# Allegro board Lay-45699_A.brd (continued)
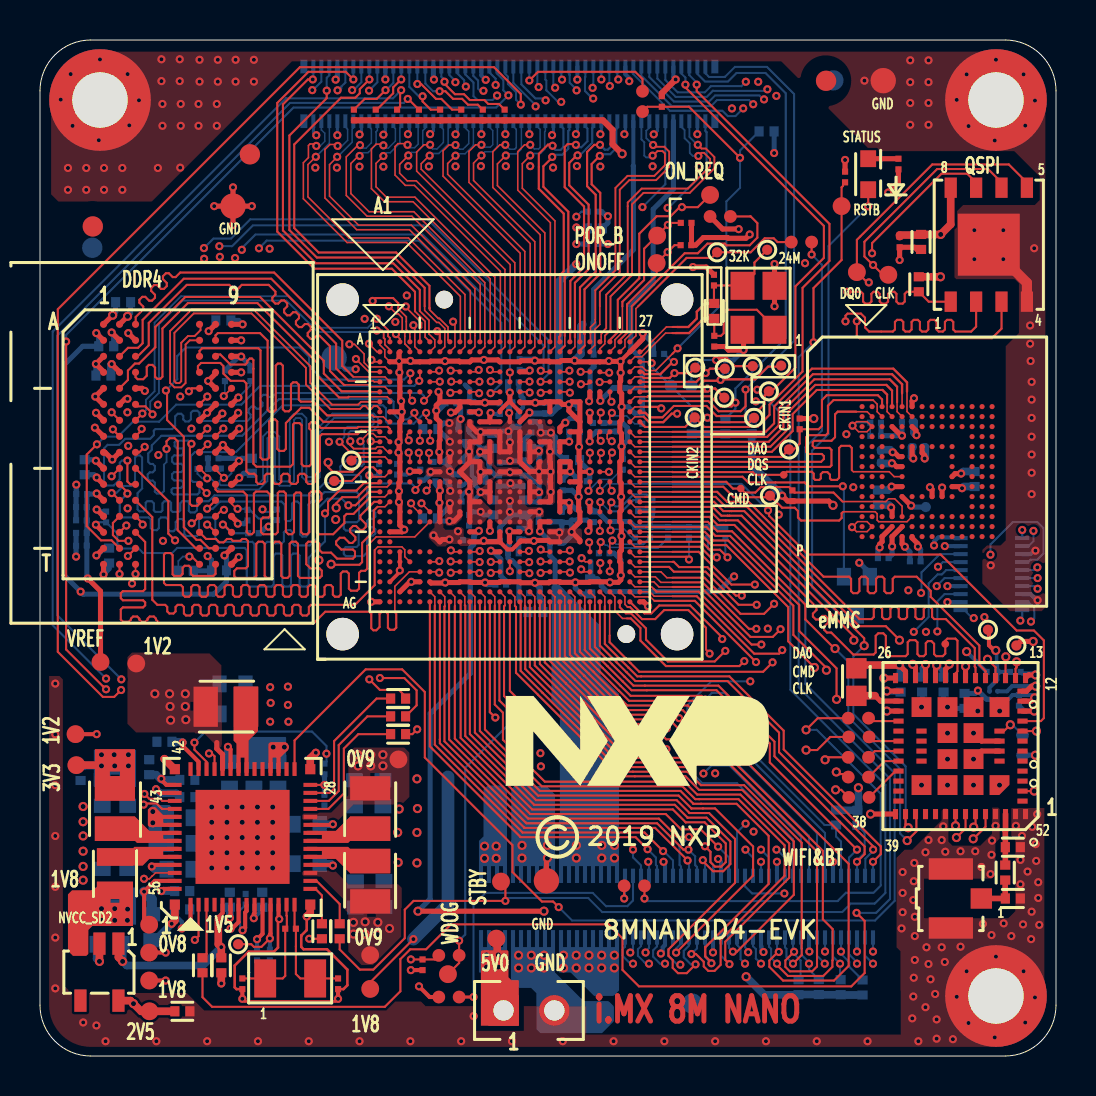
[diagram p0: board, top side]
## Routing (per net, layer and track width the routed paths; a pad name or vN(x,y) marks a point on that pad's centre or on a via; arc(x,y) is an arc through that point) (continued)
  BOTTOM w0.091: R9.1 9.57,29.13 9.35,28.91 v1(9.2,28.91) 9.12,28.91 8.97,28.76 8.97,28.6 9.03,28.54 10.86,28.54 11.15,28.83 11.15,30.98 11.37,31.19 11.75,31.19 11.96,30.98 11.96,28.83 12.07,28.73 12.4,28.73 12.49,28.82 12.49,31.9 12.71,32.11 13.1,32.11 13.32,31.9 13.32,29.04 13.41,28.95 13.68,28.95 13.77,29.04 13.77,31.27 14.62,32.12 16.68,32.12 16.89,31.9 16.89,31.51 16.62,31.24 15.52,31.24 15.43,31.15 15.43,30.82 v1(15.51,30.74)
DRAM_CK_T: length 28.4
  TOP w0.091: v1(8.36,28.88) 8.36,29 U2.K7 ; v1(14.98,30.71) 15.54,30.15 16.94,30.15 U1.M1
  BOTTOM w0.091: R8.1 7.87,29.11 8.1,28.88 v1(8.36,28.88) 8.54,28.88 8.69,28.73 8.69,28.58 8.94,28.32 10.95,28.32 11.37,28.74 11.37,30.89 11.46,30.98 11.66,30.98 11.75,30.89 11.75,28.74 11.98,28.51 12.49,28.51 12.7,28.73 12.7,31.81 12.8,31.9 13.01,31.9 13.1,31.81 13.1,28.95 13.32,28.73 13.77,28.73 13.98,28.95 13.98,31.18 14.71,31.9 16.59,31.9 16.68,31.81 16.68,31.6 16.54,31.46 15.38,31.46 15.22,31.29 15.22,30.95 v1(14.98,30.71)
DRAM_CKE: length 24.9
  TOP w0.076: v1(18.61,32.77) 18.49,32.88 18.49,33.03
  TOP w0.084: U1.F4 18.49,33.03
  TOP w0.104: U2.K2 v1(3.58,28.99)
  L3_IN1 w0.081: v1(3.58,28.99) 3.91,28.99 3.99,29.07 3.99,29.88 4.24,30.13 4.83,30.13 5.26,29.69 7.65,29.69 8.16,30.21 10.57,30.21 11.13,30.76 11.13,33.58 11.21,33.66 11.69,33.66 11.77,33.74 11.77,34.01 11.85,34.09 12.02,34.09 12.1,34.01 12.1,33.74 12.18,33.66 12.34,33.66 12.42,33.74 12.42,34.01 12.5,34.09 12.67,34.09 12.75,34.01 12.75,33.74 12.83,33.66 12.99,33.66 13.07,33.74 13.07,34.01 13.15,34.09 13.32,34.09 13.4,34.01 13.4,33.74 13.48,33.66 13.64,33.66 13.72,33.74 13.72,34.01 13.8,34.09 13.97,34.09 14.05,34.01 14.05,33.74 14.13,33.66 14.29,33.66 14.37,33.74 14.37,34.01 14.45,34.09 14.62,34.09 14.7,34.01 14.7,33.74 14.78,33.66 18.49,33.66 18.82,33.33 18.82,32.98 v1(18.61,32.77)
DRAM_DMI0: length 20.3
  TOP w0.081: 18.31,36.72 18.31,36.31 18.49,36.14 18.49,35.96
  TOP w0.084: 18.49,35.96 U1.A4 ; 17.91,37.36 18.31,36.96 18.31,36.72
  TOP w0.104: v1(16.63,37.75) 16.78,37.9 17.65,37.9 17.91,37.64 17.91,37.36 ; v1(7.44,33.24) 7.59,33.38 U2.E7
  L3_IN1 w0.081: v1(7.44,33.24) 7.71,33.5 7.71,33.62 7.53,33.8 7.41,33.8 7.18,33.57 7.07,33.57 6.93,33.71 6.93,33.83 7.47,34.37 7.47,34.49 7.39,34.57 7.21,34.57 6.76,34.11 6.58,34.11 6.5,34.2 6.5,34.31 7.93,35.74 8.42,35.74 10.17,37.49 13.87,37.49 14.68,36.68 15.56,36.68 v1(16.63,37.75)
DRAM_DMI1: length 18.1
  TOP w0.076: U1.F1 16.55,33.21 16.52,33.24
  TOP w0.104: 16.52,33.24 15.08,33.24 14.19,34.13 14.19,34.76 11,37.95 7.26,37.95 5.77,36.45 5.77,35.43 4.95,34.62 4.75,34.62 4.4,34.27 4.4,33.8 U2.E2
DRAM_DQ00: length 21.7
  TOP w0.081: v1(18.29,37.47) 18.39,37.38 18.39,37.34 19.07,36.66
  TOP w0.084: U1.A5 18.99,36.34 19.07,36.42 19.07,36.66
  TOP w0.104: U2.G2 3.98,31.79 v1(3.58,32.18)
  L3_IN1 w0.081: v1(18.29,37.47) 16.29,39.47 10.13,39.47 3.58,32.92 v1(3.58,32.18)
DRAM_DQ01: length 22.2
  TOP w0.076: U1.B5 18.74,35.46 18.74,35.8
  TOP w0.081: 18.74,35.8 18.74,36.47 v1(18.67,36.54)
  TOP w0.104: v1(3.64,31.33) 3.64,31.32 U2.H2
  L3_IN1 w0.081: v1(3.64,31.33) 3.96,31.65 3.96,32.94 10.19,39.17 16.25,39.17 17.79,37.63 17.79,37.42 v1(18.67,36.54)
DRAM_DQ02: length 20.6
  TOP w0.076: v1(15.47,35.59) 15.72,35.59 16.21,35.1 16.21,34.67 16.42,34.46 17.25,34.46
  TOP w0.084: U1.D2 17.25,34.46
  TOP w0.104: U2.H7 v1(8.36,31.37)
  L3_IN1 w0.081: v1(15.47,35.59) 14.58,35.59 13.56,36.6 11.23,36.6 10.5,35.88 10.5,35.7 10.21,35.41 9.42,35.41 9.2,35.18 9.2,34.91 9.28,34.83 9.51,34.83 9.59,34.74 9.59,34.56 9.51,34.48 9.2,34.48 9.12,34.4 9.12,34.24 9.2,34.15 9.51,34.15 9.59,34.07 9.59,33.91 9.51,33.83 9.2,33.83 9.12,33.75 9.12,33.59 9.2,33.5 9.47,33.5 9.55,33.42 9.55,31.89 9.42,31.75 7.12,31.75 7.04,31.67 7.04,31.1 7.12,31.02 7.9,31.02 7.98,31.1 7.98,31.29 8.06,31.37 v1(8.36,31.37)
DRAM_DQ03: length 20.8
  TOP w0.084: v1(15.8,34.85) 16.44,34.21 U1.D1
  TOP w0.104: U2.H8 v1(9.17,31.37)
  L3_IN1 w0.081: v1(9.17,31.37) 9.3,31.5 9.52,31.5 9.6,31.42 9.6,31.12 9.7,31.02 10.27,31.02 10.4,31.16 10.4,33.19 10.32,33.28 9.86,33.28 9.78,33.36 9.78,33.68 9.89,33.78 10.32,33.78 10.4,33.87 10.4,34.84 10.9,35.33 10.9,35.84 10.98,35.92 11.14,35.92 11.22,35.84 11.22,35.44 11.3,35.36 11.47,35.36 11.55,35.44 11.55,36.09 11.63,36.17 11.77,36.17 11.87,36.07 11.87,35.47 11.98,35.36 12.12,35.36 12.2,35.44 12.2,36.12 12.28,36.2 12.42,36.2 12.52,36.09 12.52,35.42 12.6,35.34 12.74,35.34 12.85,35.44 12.85,36.11 12.91,36.17 13.11,36.17 13.17,36.1 13.17,35.41 13.25,35.33 13.42,35.33 13.5,35.41 13.5,35.84 13.58,35.92 13.74,35.92 13.82,35.84 13.82,35.31 13.9,35.23 15.65,35.23 15.76,35.12 15.76,34.89 v1(15.8,34.85)
DRAM_DQ04: length 19.5
  TOP w0.076: v1(16.57,34.8) 16.67,34.71 U1.C1
  TOP w0.104: U2.F7 v1(8.36,32.97)
  L3_IN1 w0.081: v1(16.57,34.8) 16.27,34.8 16.13,34.95 16.13,35.18 16.1,35.21 16.1,35.79 15.93,35.97 14.56,35.97 13.62,36.91 10.67,36.91 10.54,36.78 10.54,36.3 10.44,36.2 9.68,36.2 8.64,35.16 8.15,35.16 8.05,35.05 8.05,34.88 ; v1(8.36,32.97) 8.05,32.97 7.37,32.29 7.37,32.18 7.53,32.03 7.64,32.03 8.12,32.5 8.7,32.5 8.79,32.59 8.79,34.01 8.66,34.14 8.13,34.14 8.05,34.22 8.05,34.39
  L3_IN1 w0.084: 8.05,34.88 8.15,34.77 8.81,34.77 8.87,34.71 8.87,34.6 8.77,34.49 8.15,34.49 8.05,34.39
DRAM_DQ05: length 19.6
  TOP w0.076: U1.B1 16.85,35.21 v1(16.45,35.61)
  TOP w0.104: U2.J7 v1(8.38,30.59)
  L3_IN1 w0.081: v1(16.45,35.61) 16.54,35.61 16.95,35.2 16.95,34.4 16.55,34 15.59,34 15.34,34.24 15.34,34.72 15.16,34.9 14.91,34.9 14.82,34.82 14.82,34.6 14.74,34.52 14.58,34.52 14.5,34.6 14.5,34.8 14.4,34.9 14.26,34.9 14.17,34.82 14.17,34.63 14.09,34.55 13.93,34.55 13.85,34.63 13.85,34.85 13.77,34.93 13.61,34.93 13.52,34.85 13.52,34.6 13.44,34.52 13.28,34.52 13.2,34.6 13.2,34.82 13.12,34.9 12.96,34.9 12.87,34.82 12.87,34.6 12.79,34.52 12.63,34.52 12.55,34.6 12.55,34.85 12.47,34.93 12.31,34.93 12.22,34.85 12.22,34.6 12.14,34.52 11.98,34.52 11.9,34.6 11.9,34.82 11.82,34.9 11.65,34.9 11.57,34.82 11.57,34.55 11.49,34.47 11.33,34.47 11.25,34.55 11.25,34.67 11.17,34.75 10.83,34.75 10.69,34.62 10.69,30.94 10.47,30.71 9.58,30.71 9.35,30.94 8.73,30.94 v1(8.38,30.59)
DRAM_DQ06: length 18.8
  TOP w0.081: U1.A3 17.99,35.86 17.8,36.05 v1(17.8,36.1)
  TOP w0.104: v1(5.23,30.46) 4.96,30.18 U2.J3
  L3_IN1 w0.081: v1(5.23,30.46) 5.81,31.03 5.81,31.3 5.8,31.31 5.8,31.43 5.92,31.54 6.03,31.54 6.04,31.53 6.16,31.53 6.3,31.68 6.3,31.92 6.38,32 6.5,32 6.5,31.99 6.69,31.99 8.05,33.36 8.05,33.83 7.77,34.11 7.77,35.13 8.07,35.43 8.48,35.43 10.25,37.19 13.77,37.19 14.63,36.32 16.26,36.32 16.69,35.89 17.6,35.89 v1(17.8,36.1)
DRAM_DQ07: length 21
  TOP w0.076: 18.25,35.61 18.24,35.62 18.24,35.98
  TOP w0.081: 18.24,36.16 18.11,36.29 18.11,36.91 17.91,37.11 17.82,37.11 v1(17.44,37.49)
  TOP w0.084: 18.25,35.61 18.25,35.6 18.49,35.36 U1.B4 ; 18.24,36.16 18.24,35.98
  TOP w0.104: U2.H3 5.08,31.29 v1(5.08,31.36)
  L3_IN1 w0.081: v1(17.44,37.49) 17.44,37.55 16.07,38.93 10.42,38.93 4.73,33.23 4.73,31.71 v1(5.08,31.36)
DRAM_DQ08: length 20.4
  TOP w0.076: 15.22,33.55 16.46,33.55 16.55,33.46 17.24,33.46 U1.F2
  TOP w0.104: 15.22,33.55 15.2,33.55 14.5,34.25 14.5,35.49 13.98,36.01 13.83,36.01 13.68,35.86 13.53,35.86 13.39,36 13.39,36.15 13.54,36.3 13.54,36.45 13.39,36.6 13.24,36.6 13.09,36.44 12.94,36.44 12.8,36.59 12.8,36.74 12.95,36.89 12.95,37.04 12.8,37.19 12.66,37.19 12.5,37.03 12.35,37.03 12.21,37.18 12.21,37.33 12.36,37.48 12.36,37.63 12.21,37.78 12.07,37.78 11.91,37.62 11.76,37.62 11.62,37.77 11.62,37.92 11.77,38.07 11.77,38.22 11.43,38.56 10.09,38.56 9.98,38.45 9.98,38.43 9.88,38.33 9.67,38.33 9.57,38.43 9.57,38.45 9.46,38.56 7.34,38.56 5.44,36.65 5.44,35.54 4.88,34.98 U2.C3
DRAM_DQ09: length 19.6
  TOP w0.076: 15.44,32.96 17.36,32.96 17.49,32.83 U1.G2
  TOP w0.104: 15.44,32.96 15.4,32.93 14.95,32.93 13.87,34.01 13.87,34.65 10.87,37.64 7.39,37.64 6.12,36.37 6.12,33.97 6.02,33.86 5.86,33.86 5.75,33.97 5.75,34.42 5.62,34.56 5.44,34.56 5.34,34.45 5.34,34.01 5.16,33.84 4.88,33.84 4.78,33.94 U2.D3
DRAM_DQ10: length 20.1
  TOP w0.104: U1.J1 14.17,31.71 13.47,32.41 13.05,32.41 12.29,31.65 12.29,30.36 12.19,30.25 11.97,30.25 11.86,30.36 11.86,31.72 11.76,31.83 11.56,31.83 11.46,31.72 11.46,29.93 11.35,29.82 11.13,29.82 11.02,29.93 11.02,35.28 10.92,35.38 8.1,35.38 7.98,35.26 U2.C7
DRAM_DQ11: length 19.8
  TOP w0.076: 16.69,31.96 17.16,31.96 17.42,31.71 U1.J2
  TOP w0.104: 16.69,31.96 16.62,32.03 14.35,32.03 13.67,32.72 13.04,32.72 12.94,32.82 12.94,33.57 12.82,33.68 12.65,33.68 12.55,33.58 12.55,32.34 12.44,32.23 12.25,32.23 12.14,32.34 12.14,34.52 12.04,34.62 11.89,34.62 11.79,34.52 11.79,32.31 11.68,32.21 11.48,32.21 11.38,32.31 11.38,35.76 11,36.15 8.89,36.15 8.78,36.03 U2.B8
DRAM_DQ12: length 21.1
  TOP w0.076: 17.39,31.46 16.89,31.46
  TOP w0.084: 16.89,31.46 15.91,31.46
  TOP w0.104: U2.C8 8.87,35.08 9.02,35.08 9.52,34.57 10.26,34.57 10.36,34.68 10.36,34.75 10.49,34.87 10.59,34.87 10.67,34.8 10.67,34.37 10.67,29.62 10.82,29.47 12.52,29.47 12.65,29.6 12.65,31.57 12.72,31.64 12.98,31.64 13.08,31.54 13.08,29.6 13.19,29.49 13.46,29.49 13.56,29.6 13.56,31.27 13.46,31.37 13.46,31.6 13.57,31.7 13.74,31.7 14.04,31.4 15.86,31.4 15.91,31.46 ; U1.K2 17.49,31.35 17.39,31.46
DRAM_DQ13: length 19.6
  TOP w0.076: 16.06,31.28 16.92,31.28 U1.K1
  TOP w0.104: U2.D7 7.9,34.26 7.9,34.49 8.06,34.65 9.01,34.65 9.17,34.49 9.17,34.12 9.53,33.76 10.19,33.76 10.32,33.63 10.32,29.24 10.45,29.11 10.71,29.11 10.81,29.01 10.81,28.71 10.92,28.6 11.13,28.6 11.23,28.71 11.23,29.01 11.34,29.11 11.54,29.11 11.65,29.01 11.65,28.71 11.75,28.6 11.96,28.6 12.06,28.71 12.06,29.01 12.17,29.11 12.38,29.11 12.48,29.01 12.48,28.71 12.58,28.6 12.79,28.6 12.9,28.71 12.9,29.01 13,29.11 13.21,29.11 13.31,29.01 13.31,28.71 13.42,28.6 13.63,28.6 13.73,28.71 13.73,29.01 13.83,29.11 13.84,29.11 14,29.26 14,30.99 14.1,31.09 15.88,31.09 16.06,31.28
DRAM_DQ14: length 18.2
  TOP w0.076: 15.43,33.75 16.67,33.75 16.71,33.71 U1.E1
  TOP w0.104: U2.C2 4.4,35.41 4.9,35.41 5.13,35.64 5.13,36.81 7.19,38.86 11.56,38.86 14.81,35.62 14.81,34.38 15.43,33.75
DRAM_DQ15: length 19.2
  TOP w0.076: 15.67,33.96 17.25,33.96 U1.E2
  TOP w0.104: 15.67,33.96 15.11,34.51 15.11,35.77 11.71,39.17 7.01,39.17 6.78,38.95 6.63,38.95 6.44,39.14 6.29,39.14 6.15,38.99 6.15,38.84 6.34,38.65 6.34,38.5 6.2,38.36 6.04,38.36 5.85,38.55 5.71,38.55 5.56,38.4 5.56,38.25 5.75,38.06 5.75,37.91 5.6,37.77 5.46,37.77 5.26,37.96 5.12,37.96 4.97,37.81 4.97,37.66 5.16,37.47 5.16,37.32 4.78,36.95 4.78,36.59 U2.A3
DRAM_DQS0_N: length 19.4
  TOP w0.081: U1.B2 17.49,35.32 17.24,35.57 17.24,35.84
  TOP w0.091: v1(16.84,36.27) 17.09,36.27 17.18,36.18 17.18,35.9 17.24,35.84
  TOP w0.104: U2.F3 4.88,32.48 5.27,32.48 5.62,32.12 v1(5.62,32.08)
  BOTTOM w0.091: v1(5.62,32.08) 5.51,32.19 5.51,32.72 5.94,33.15 5.94,36.58 7.14,37.77 12.32,37.77 13.89,36.2 16.68,36.2 16.76,36.27 v1(16.84,36.27)
DRAM_DQS0_P: length 19.2
  TOP w0.091: v1(16.84,36.86) 17.4,36.3 17.4,35.99 17.49,35.9 U1.A2
  TOP w0.104: U2.G3 5.12,32.12 v1(5.12,32.12)
  BOTTOM w0.091: v1(16.84,36.86) 16.39,36.41 13.98,36.41 12.41,37.99 7.05,37.99 5.73,36.67 5.73,33.24 5.3,32.81 5.3,32.3 v1(5.12,32.12)
DRAM_DQS1_N: length 19.8
  TOP w0.091: U2.A7 8.03,36.53 8.03,36.29 7.73,36 7.4,36 7.06,35.66 7.06,33.74 6.97,33.65 6.81,33.65 6.72,33.74 6.72,36.16 7.69,37.13 10.58,37.13 13.3,34.41 13.3,33.57 14.51,32.35 15.99,32.35 16.14,32.49 16.28,32.49 16.41,32.36 16.56,32.36 16.69,32.49 16.86,32.49 16.99,32.36 U1.H1
DRAM_DQS1_P: length 19.7
  TOP w0.091: U2.B7 7.49,35.78 7.28,35.57 7.28,33.65 7.06,33.43 6.72,33.43 6.5,33.65 6.5,36.25 7.6,37.34 10.66,37.34 13.51,34.49 13.51,33.66 14.6,32.57 15.9,32.57 16.05,32.71 U1.G1
DRAM_NACT: length 26.1
  TOP w0.076: v1(19.2,32.77) 19.49,33.06 U1.F6
  TOP w0.104: v1(4.37,29.77) 4.37,28.73 4.52,28.58 U2.L3
  BOTTOM w0.104: v1(19.2,32.77) 19.2,33 19.05,33.15 11.81,33.15 11.62,32.95 11.42,32.95 11.31,33.06 11.16,33.06 11.02,32.91 11.02,32.76 11.12,32.66 11.12,32.51 10.98,32.36 10.83,32.36 10.72,32.47 10.57,32.47 10.43,32.32 10.43,32.18 10.53,32.07 10.53,31.92 10.36,31.75 8.08,31.75 7.98,31.86 7.98,32.16 7.87,32.26 7.65,32.26 7.54,32.16 7.54,31.83 7.44,31.73 7.27,31.73 7.16,31.83 7.16,32.01 7.06,32.11 6.89,32.11 6.76,31.98 6.76,31.5 6.61,31.35 5.77,31.35 5.69,31.27 5.69,31.04 5.51,30.86 4.26,30.86 3.96,30.56 3.38,30.56 3.2,30.38 3.2,28.63 3.31,28.53 3.68,28.53 3.99,28.83 3.99,29.67 4.09,29.77 v1(4.37,29.77)
DRAM_NALERT: length 28.9
  TOP w0.076: 16.57,28.46 17.36,28.46 17.49,28.59 U1.R2
  TOP w0.104: U2.P9 9.21,26.54 9.17,26.54 v1(9.15,26.57) ; v2(14.81,27.41) 14.81,27.64 15.11,27.94 15.85,27.94 16.36,28.46 16.57,28.46
  L3_IN1 w0.081: v1(9.15,26.57) 9.55,26.98 11.74,26.98 12.02,26.69 12.14,26.69 12.23,26.78 12.23,26.9 11.72,27.4 11.72,27.52 11.83,27.63 11.95,27.63 12.46,27.13 12.57,27.13 12.69,27.24 12.69,27.36 12.26,27.79 12.26,27.9 12.37,28.02 12.49,28.02 12.92,27.59 13.03,27.59 13.15,27.7 13.15,27.82 12.73,28.24 12.73,28.35 12.84,28.47 12.96,28.47 13.46,27.97 16.73,27.97 16.82,27.89 16.82,27.74 16.73,27.66 15.96,27.66 15.87,27.58 15.87,27.46 15.96,27.38 16.73,27.38 16.82,27.3 16.82,27.19 16.73,27.11 15.91,27.11 15.83,27.02 15.83,26.8 15.88,26.75 16.69,26.75 16.77,26.67 16.77,26.49 16.66,26.39 13.57,26.39 13.46,26.5 13.46,27.43 13.57,27.54 14.68,27.54 v2(14.81,27.41)
  BOTTOM w0.104: R139.1 9.58,26.14 v1(9.15,26.57)
DRAM_NCAS(A15): length 27.2
  TOP w0.076: U1.R5 18.99,28.57 18.77,28.35 v1(18.77,28.3)
  TOP w0.104: U2.M8 v1(8.36,27.36)
  BOTTOM w0.104: v1(18.77,28.3) 18.77,28.42 18.57,28.63 16.56,28.63 16.35,28.42 16.35,27.38 16.46,27.27 16.66,27.27 16.77,27.17 16.77,26.96 16.66,26.86 16.46,26.86 16.35,26.75 16.35,26.54 16.46,26.44 16.66,26.44 16.77,26.33 16.77,26.13 16.66,26.02 16.46,26.02 16.35,25.92 16.35,25.18 16.17,25 15.29,25 15.19,25.1 15.19,25.35 15.29,25.45 15.83,25.45 15.94,25.56 15.94,26.17 15.83,26.27 15.29,26.27 15.19,26.38 15.19,26.58 15.29,26.69 15.85,26.69 15.95,26.79 15.95,28.08 15.83,28.2 14.23,28.2 13.75,27.72 13.56,27.72 13.41,27.57 13.41,26.09 13.3,25.97 13.11,25.97 13.01,26.07 13.01,27.59 12.88,27.72 12.7,27.72 12.6,27.62 12.6,26.85 12.5,26.75 12.33,26.75 12.24,26.83 12.24,27.56 12.08,27.72 9,27.72 8.64,27.36 v1(8.36,27.36)
DRAM_NCS: length 27.1
  TOP w0.084: U1.K4 18.36,31.08 18.36,30.86 v1(18.44,30.78)
  TOP w0.104: v1(8.33,28.14) 7.98,28.5 U2.L7
  L3_IN1 w0.081: v1(8.33,28.14) 8.43,28.25 10.21,28.25 10.44,28.47 10.55,28.47 10.68,28.34 10.79,28.34 10.91,28.46 10.91,28.57 10.78,28.7 10.78,28.82 10.9,28.93 11.01,28.93 11.14,28.8 11.25,28.8 11.37,28.92 11.37,29.03 11.24,29.16 11.24,29.28 11.36,29.39 11.47,29.39 11.6,29.26 11.71,29.26 11.83,29.38 11.83,29.49 11.7,29.62 11.7,29.74 11.91,29.95 11.91,32.36 12.32,32.77 12.53,32.77 12.61,32.69 12.61,32.44 12.54,32.36 12.29,32.36 12.19,32.26 12.19,32.13 12.25,32.07 12.86,32.07 12.94,32.15 12.94,32.69 13.02,32.77 13.18,32.77 13.26,32.69 13.26,32.15 13.34,32.07 13.51,32.07 13.59,32.15 13.59,32.69 13.67,32.77 13.83,32.77 13.91,32.69 13.91,32.15 13.99,32.07 14.16,32.07 14.24,32.15 14.24,32.69 14.32,32.77 14.48,32.77 14.56,32.69 14.56,32.15 14.65,32.07 14.81,32.07 14.89,32.15 14.89,32.69 14.97,32.77 15.13,32.77 15.21,32.69 15.21,32.15 15.3,32.07 15.46,32.07 15.54,32.15 15.54,32.69 15.62,32.77 15.78,32.77 15.86,32.69 15.86,32.15 15.95,32.07 16.11,32.07 16.19,32.15 16.19,32.69 16.27,32.77 16.4,32.77 16.49,32.69 16.49,32.13 16.54,32.08 16.68,32.08 16.77,32.16 16.77,32.67 16.87,32.77 17.09,32.77 17.17,32.69 17.17,31.32 17.25,31.24 18.45,31.24 18.53,31.16 18.53,30.88 v1(18.44,30.78)
DRAM_NRAS: length 29.2
  TOP w0.076: U1.T2 17.24,27.96 16.52,27.96
  TOP w0.104: 16.52,27.96 15.67,27.1 15.33,27.1 15.22,26.99 15.22,26.65 14.66,26.09 13.95,26.09 13.84,26.19 13.84,27.61 14.07,27.84 14.07,28.12 13.97,28.22 13.57,28.22 13.46,28.12 13.46,26.19 13.36,26.09 13.16,26.09 13.06,26.19 13.06,28.12 13.01,28.17 12.81,28.17 12.7,28.07 12.7,26.19 12.6,26.09 12.42,26.09 12.29,26.21 12.29,28.12 12.19,28.22 11.96,28.22 11.89,28.14 11.89,26.19 11.78,26.09 11.15,26.09 11.05,26.19 11.05,26.82 11.15,26.93 11.43,26.93 11.51,27 11.51,28.07 11.35,28.22 10.8,28.22 10.69,28.12 10.69,26.19 10.59,26.09 10.44,26.09 10.34,26.19 10.34,28.04 10.16,28.22 8.88,28.22 8.78,28.33 U2.L8
DRAM_NRESET: length 27.8
  TOP w0.104: v1(14.25,27.13) 14.4,27.28 14.4,27.71 14.96,28.27 15.83,28.27 16.19,28.64 16.92,28.64 U1.R1
  TOP w0.254: U2.P1 v1(2.8,26.56)
  BOTTOM w0.104: v1(14.25,27.13) 14.25,25.73 13.44,24.92 13.44,23.58 13.33,23.47 13.08,23.47 12.98,23.58 12.98,25.02 12.88,25.12 12.65,25.12 12.55,25.02 12.55,23.58 12.44,23.47 12.22,23.47 12.12,23.58 12.12,25.02 12.01,25.12 11.79,25.12 11.69,25.02 11.69,23.58 11.58,23.47 10.44,23.47 10.34,23.58 10.34,25.3 10.23,25.4 6.86,25.4 6.61,25.15 5.16,25.15 4.93,25.38 4.09,25.38 3.87,25.6 3.87,26.13 R4.2 2.92,26.69 v1(2.8,26.56)
DRAM_NWE(A14): length 26.5
  TOP w0.104: U2.L2 4.37,28.19 v1(4.37,28.12) ; U1.T1 16.45,28.21 15.77,27.54 v1(15.42,27.54)
  BOTTOM w0.104: v1(15.42,27.54) 15.09,27.87 14.38,27.87 13.87,27.36 13.87,25.91 13.49,25.53 12.73,25.53 12.62,25.63 12.62,26.19 12.52,26.29 12.3,26.29 12.19,26.19 12.19,25.73 12.09,25.63 11.76,25.63 11.68,25.71 11.36,25.71 11.25,25.6 11.25,23.93 11.15,23.83 10.82,23.83 10.72,23.93 10.72,25.6 10.62,25.71 8.91,25.71 8.76,25.86 8.76,26.82 8.66,26.93 8.06,26.93 7.95,26.82 7.95,26.1 7.85,26 7.32,26 7.21,26.1 7.21,26.75 7.11,26.85 6.94,26.85 6.78,26.69 6.78,26.34 6.68,26.24 6.51,26.24 6.4,26.34 6.4,26.82 6.3,26.93 6.05,26.93 5.94,26.82 5.94,26.39 5.84,26.29 5.64,26.29 5.54,26.39 5.54,26.82 5.43,26.93 4.09,26.93 3.99,27.03 3.99,27.74 v1(4.37,28.12)
DRAM_ODT: length 29.1
  TOP w0.076: v1(18.55,27.64) 18.55,27.58 18.92,27.21 U1.V5
  TOP w0.104: v1(6.75,25.78) 6.41,26.12 6.41,27.75 U2.K3
  L3_IN1 w0.081: v1(6.75,25.78) 6.37,26.16 5.67,26.16 5.23,25.72 5.23,25.17 6.07,24.33 12.24,24.33 13.41,25.5 15.19,25.5 15.39,25.3 15.39,24.03 15.06,23.7 14.33,23.7 14.25,23.62 14.25,23.04 14.33,22.96 15.22,22.96 17.76,25.5 17.96,25.5 18.8,26.34 18.8,27.39 v1(18.55,27.64)
DRAM_PARITY: length 28.1
  TOP w0.076: U1.R6 19.49,28.43 v1(19.33,28.27)
  TOP w0.081: U2.T3 v1(4.78,24.1)
  L3_IN1 w0.081: v1(4.78,24.1) 5.03,23.85 5.03,22.31 5.11,22.23 6.23,22.23 6.41,22.41 6.41,22.73 6.49,22.81 6.66,22.81 6.74,22.73 6.74,22.41 6.82,22.33 6.98,22.33 7.06,22.41 7.06,22.73 7.14,22.81 7.31,22.81 7.39,22.73 7.39,22.41 7.47,22.33 7.63,22.33 7.71,22.41 7.71,22.73 7.79,22.81 7.96,22.81 8.04,22.73 8.04,22.41 8.12,22.33 8.28,22.33 8.36,22.41 8.36,22.73 8.44,22.81 8.61,22.81 8.69,22.73 8.69,22.41 8.77,22.33 8.93,22.33 9.01,22.41 9.01,22.73 9.09,22.81 9.26,22.81 9.34,22.73 9.34,22.41 9.42,22.33 9.58,22.33 9.66,22.41 9.66,22.73 9.74,22.81 9.91,22.81 9.99,22.73 9.99,22.41 10.07,22.33 10.23,22.33 10.31,22.41 10.31,22.73 10.39,22.81 10.56,22.81 10.64,22.73 10.64,22.41 10.72,22.33 10.88,22.33 10.96,22.41 10.96,22.73 11.04,22.81 11.21,22.81 11.29,22.73 11.29,22.41 11.37,22.33 11.53,22.33 11.61,22.41 11.61,22.73 11.69,22.81 11.86,22.81 11.94,22.73 11.94,22.41 12.02,22.33 15.48,22.33 19.51,26.35 19.51,28.09 v1(19.33,28.27)
DRAM_VREF: length 9.7
  TOP w0.254: v1(2.39,23.88) 3.03,23.24 TP100.1 ; U2.M1 v1(2.84,28.12)
  BOTTOM w0.254: v1(2.84,28.12) 2.81,28.1 C110.1 2.34,28.09 C389.1 2.34,26.78 R64.1 2.34,26.15 R63.2 2.34,25.52 C390.2 2.34,23.93 v1(2.39,23.88)
DSI_CKN: length 16.1
  TOP w0.076: U1.A11 22.01,35.73 22.01,38.57 18.6,41.99 16.35,41.99 15.31,43.03 15.31,44.96 15.9,45.54 v1(16,45.54)
  BOTTOM w0.076: v1(16,45.54) 16.15,45.39 16.31,45.39 16.57,45.66 16.57,46.35 16.47,46.45 J4.15
DSI_CKP: length 16.5
  TOP w0.076: v1(15.98,45) 15.92,45 15.54,44.63 15.54,43.12 16.45,42.22 18.69,42.22 22.24,38.67 22.24,35.63 22.24,35.63 22.24,35.46 U1.B11
  BOTTOM w0.076: v1(15.98,45) 16.14,45.17 16.4,45.17 16.8,45.57 16.8,46.21 16.87,46.28 J4.17
DSI_DN0: length 17
  TOP w0.076: U1.A9 21.02,35.73 21.02,37.98 18.33,40.67 15.36,40.67 13.17,42.86 13.17,44.67 13.42,44.92 13.42,45.52 13.5,45.6 13.72,45.6 v1(13.82,45.51)
  BOTTOM w0.076: v1(13.82,45.51) 14.01,45.51 14.24,45.73 14.24,46.13 14.07,46.31 J4.3
DSI_DN1: length 16.6
  TOP w0.076: U1.A10 21.52,35.73 21.52,38.27 18.47,41.32 15.83,41.32 14.25,42.9 14.25,45.33 14.5,45.58 14.81,45.58 v1(14.88,45.51)
  BOTTOM w0.076: v1(14.88,45.51) 15.1,45.51 15.38,45.78 15.38,46.33 15.27,46.45 J4.9
DSI_DN2: length 15.5
  TOP w0.076: v1(17.17,45.53) 17.11,45.59 16.81,45.59 16.57,45.35 16.57,43.37 17.22,42.71 18.65,42.71 22.51,38.85 22.51,35.73 U1.A12
  BOTTOM w0.076: J4.21 17.67,46.47 17.77,46.37 17.77,45.74 17.42,45.39 17.31,45.39 v1(17.17,45.53)
DSI_DN3: length 14.8
  TOP w0.076: U1.A13 23.02,35.73 23.02,39.23 18.72,43.53 18.27,43.53 17.75,44.04 17.75,45.47 17.9,45.62 18.31,45.62 v1(18.38,45.56)
  BOTTOM w0.076: J4.27 18.91,46.7 18.91,45.59 18.73,45.41 18.52,45.41 v1(18.38,45.56)
DSI_DP0: length 17.1
  TOP w0.076: v1(13.79,44.96) 13.78,44.96 13.4,44.57 13.4,42.96 15.45,40.9 18.42,40.9 21.25,38.08 21.25,35.46 U1.B9
  BOTTOM w0.076: J4.5 14.47,45.64 v1(13.79,44.96)
DSI_DP1: length 16.7
  TOP w0.076: v1(14.86,44.96) 14.86,44.95 14.48,44.57 14.48,42.99 15.93,41.55 18.56,41.55 21.74,38.37 21.74,36.13 21.75,36.02 21.75,35.46 U1.B10
  BOTTOM w0.076: v1(14.86,44.96) 14.88,44.96 15.61,45.69 15.61,46.34 15.67,46.4 J4.11
DSI_DP2: length 15.6
  TOP w0.076: v1(17.17,45) 16.8,44.63 16.8,43.46 17.32,42.94 18.75,42.94 22.74,38.95 22.74,35.46 U1.B12
  BOTTOM w0.076: v1(17.17,45) 17.33,45.16 17.51,45.16 18,45.65 18,46.39 18.07,46.46 J4.23
DSI_DP3: length 14.8
  TOP w0.076: v1(18.41,45.03) 18.41,45.01 17.98,44.58 17.98,44.14 18.36,43.76 18.82,43.76 23.25,39.33 23.25,35.46 U1.B13
  BOTTOM w0.076: v1(18.41,45.03) 18.57,45.18 18.82,45.18 19.14,45.5 19.14,46.27 19.27,46.4 J4.29
ECSPI2_MISO: length 21.3
  TOP w0.084: 19.48,37.39 19.48,37.31 19.91,36.88 19.97,36.88 20.4,36.45 20.4,35.8 U1.A8
  TOP w0.104: 19.47,37.39 19.47,38.51 17.81,40.17 13.93,40.17 12.71,41.4 12.71,45.58 15.05,47.91 15.77,47.91 15.99,48.14 15.99,48.35 v1(16.47,48.83)
  TOP w0.114: 19.48,37.39 19.47,37.39
  BOTTOM w0.104: v1(16.47,48.83) 16.47,48.83 J4.16
ECSPI2_MOSI: length 21.1
  TOP w0.076: v1(20.65,36.72) 20.75,36.62 20.75,35.46 U1.B8
  L3_IN1 w0.081: v1(20.65,36.72) 21.03,37.09 21.03,38.98 18.19,41.82 15.84,41.82 13.39,44.26 13.39,46.23 15.09,47.93 16.11,47.93 v1(16.45,48.27)
  BOTTOM w0.104: v1(16.45,48.27) 16.87,48.68 J4.18
ECSPI2_SCLK: length 24.8
  TOP w0.076: v1(19.99,33.72) 19.98,33.71 U1.E6
  L3_IN1 w0.081: v1(15.61,48.3) 15.29,48.61 15.29,48.83 14.93,49.2 13.48,49.2 12.39,48.11 12.39,43.9 15.22,41.07 17.18,41.07 18.8,39.45 18.8,36.91 19.08,36.63 19.08,34.6 19.95,33.72 v1(19.99,33.72)
  BOTTOM w0.104: J4.14 16.07,48.69 15.68,48.3 v1(15.61,48.3)
ECSPI2_SS0: length 22.6
  TOP w0.084: 18.75,37.23 19.25,36.73 19.25,35.95 U1.A6
  TOP w0.104: 18.75,37.23 18.75,38.21 17.59,39.36 13.72,39.36 11.86,41.22 11.86,47.65 13.42,49.21 15.29,49.21 v1(15.67,48.83)
  BOTTOM w0.104: J4.12 v1(15.67,48.83)
EMMC_VDDIM: length 4
  TOP w0.076: 41.35,31.72 U4.C2 41.35,31.21 40.93,31.21 v1(40.63,31.51) 40.83,31.72 41.35,31.72
  BOTTOM w0.076: C137.1 C136.1 40.78,31.67 v1(40.63,31.51)
ENET_MDC: length 22.9
  TOP w0.076: U1.AC27 31.63,24.71
  TOP w0.104: v1(35.09,23.02) 34.79,23.02 33.37,24.44 31.95,24.44 31.69,24.71 31.63,24.71
  L3_IN1 w0.081: v1(49.67,26.26) 49.34,25.92 47.07,25.92 45.98,24.83 42.12,24.83 41.58,24.29 37.33,24.29 36.21,23.17 35.24,23.17 v1(35.09,23.02)
  BOTTOM w0.104: J7.18 49.42,25.5 49.67,25.75 v1(49.67,26.26)
ENET_MDIO: length 21.3
  TOP w0.076: 31.63,25.21 U1.AB27
  TOP w0.104: 31.63,25.21 32.93,25.21 34.57,23.57 v1(35.74,23.57)
  L3_IN1 w0.081: v1(49.11,26.3) 46.62,26.3 45.36,25.04 37.34,25.04 35.86,23.57 35.75,23.57 v1(35.74,23.57)
  BOTTOM w0.104: J7.20 v1(49.11,26.3)
ENET_RD0: length 22.8
  TOP w0.076: U1.AE27 30.69,23.71 30.95,23.45 31.63,23.45
  TOP w0.104: 31.63,23.45 33.03,23.45 35.52,20.96 36.64,20.96 v1(37.03,21.34)
  L3_IN1 w0.081: v1(49.88,23.36) 49.64,23.12 44.86,23.12 44.36,22.63 38.77,22.63 37.48,21.34 v1(37.03,21.34)
  BOTTOM w0.104: J7.8 49.7,23.5 49.84,23.36 v1(49.88,23.36)
ENET_RD1: length 23.5
  TOP w0.076: 31.63,23.91 31.34,23.91 31.05,24.21 U1.AD27
  TOP w0.104: 31.63,23.91 33.22,23.91 35.03,22.11 36.2,22.11 v1(36.7,22.61)
  L3_IN1 w0.081: v1(36.7,22.61) 37.79,23.7 42.09,23.7 42.48,24.09 45.8,24.09 47.15,25.44 48.23,25.44 49.77,23.9 v1(49.88,23.9)
  BOTTOM w0.104: J7.10 v1(49.88,23.9)
ENET_RD2: length 30.2
  TOP w0.076: 31.63,23.68 31.05,23.68 30.77,23.96 29.74,23.96 U1.AD26
  TOP w0.104: 31.63,23.68 33.13,23.68 35.45,21.36 v1(35.82,21.36)
  L3_IN1 w0.081: v1(35.82,21.36) 34.84,20.38 34.84,19.59 35.33,19.1 37.84,19.1 39.92,21.19 43.19,21.19 43.54,20.84 45.14,20.84 45.55,21.25 49.05,21.25 49.14,21.35 49.7,21.35 50.25,21.9 50.25,24.05 v1(49.87,24.43)
  BOTTOM w0.104: J7.12 49.68,24.3 49.8,24.41 49.85,24.41 v1(49.87,24.43)
ENET_RD3: length 26.5
  TOP w0.076: U1.AC26 29.75,24.46 30.65,24.46
  TOP w0.104: v1(35.83,22.56) 34.93,22.56 33.27,24.21 31.69,24.21 31.45,24.46 30.65,24.46
  L3_IN1 w0.081: v1(47.52,25.07) 46.32,23.87 42.83,23.87 42.4,23.43 38.13,23.43 36.94,22.24 36.16,22.24 v1(35.83,22.56)
  BOTTOM w0.104: J7.14 49.4,24.7 49.52,24.81 49.86,24.81 50.17,25.12 50.17,26.4 49.87,26.7 48.64,26.7 47.52,25.58 v1(47.52,25.07)
